# Altium PCB carrier_bak.PcbDoc (part 2 of 5) (continued)
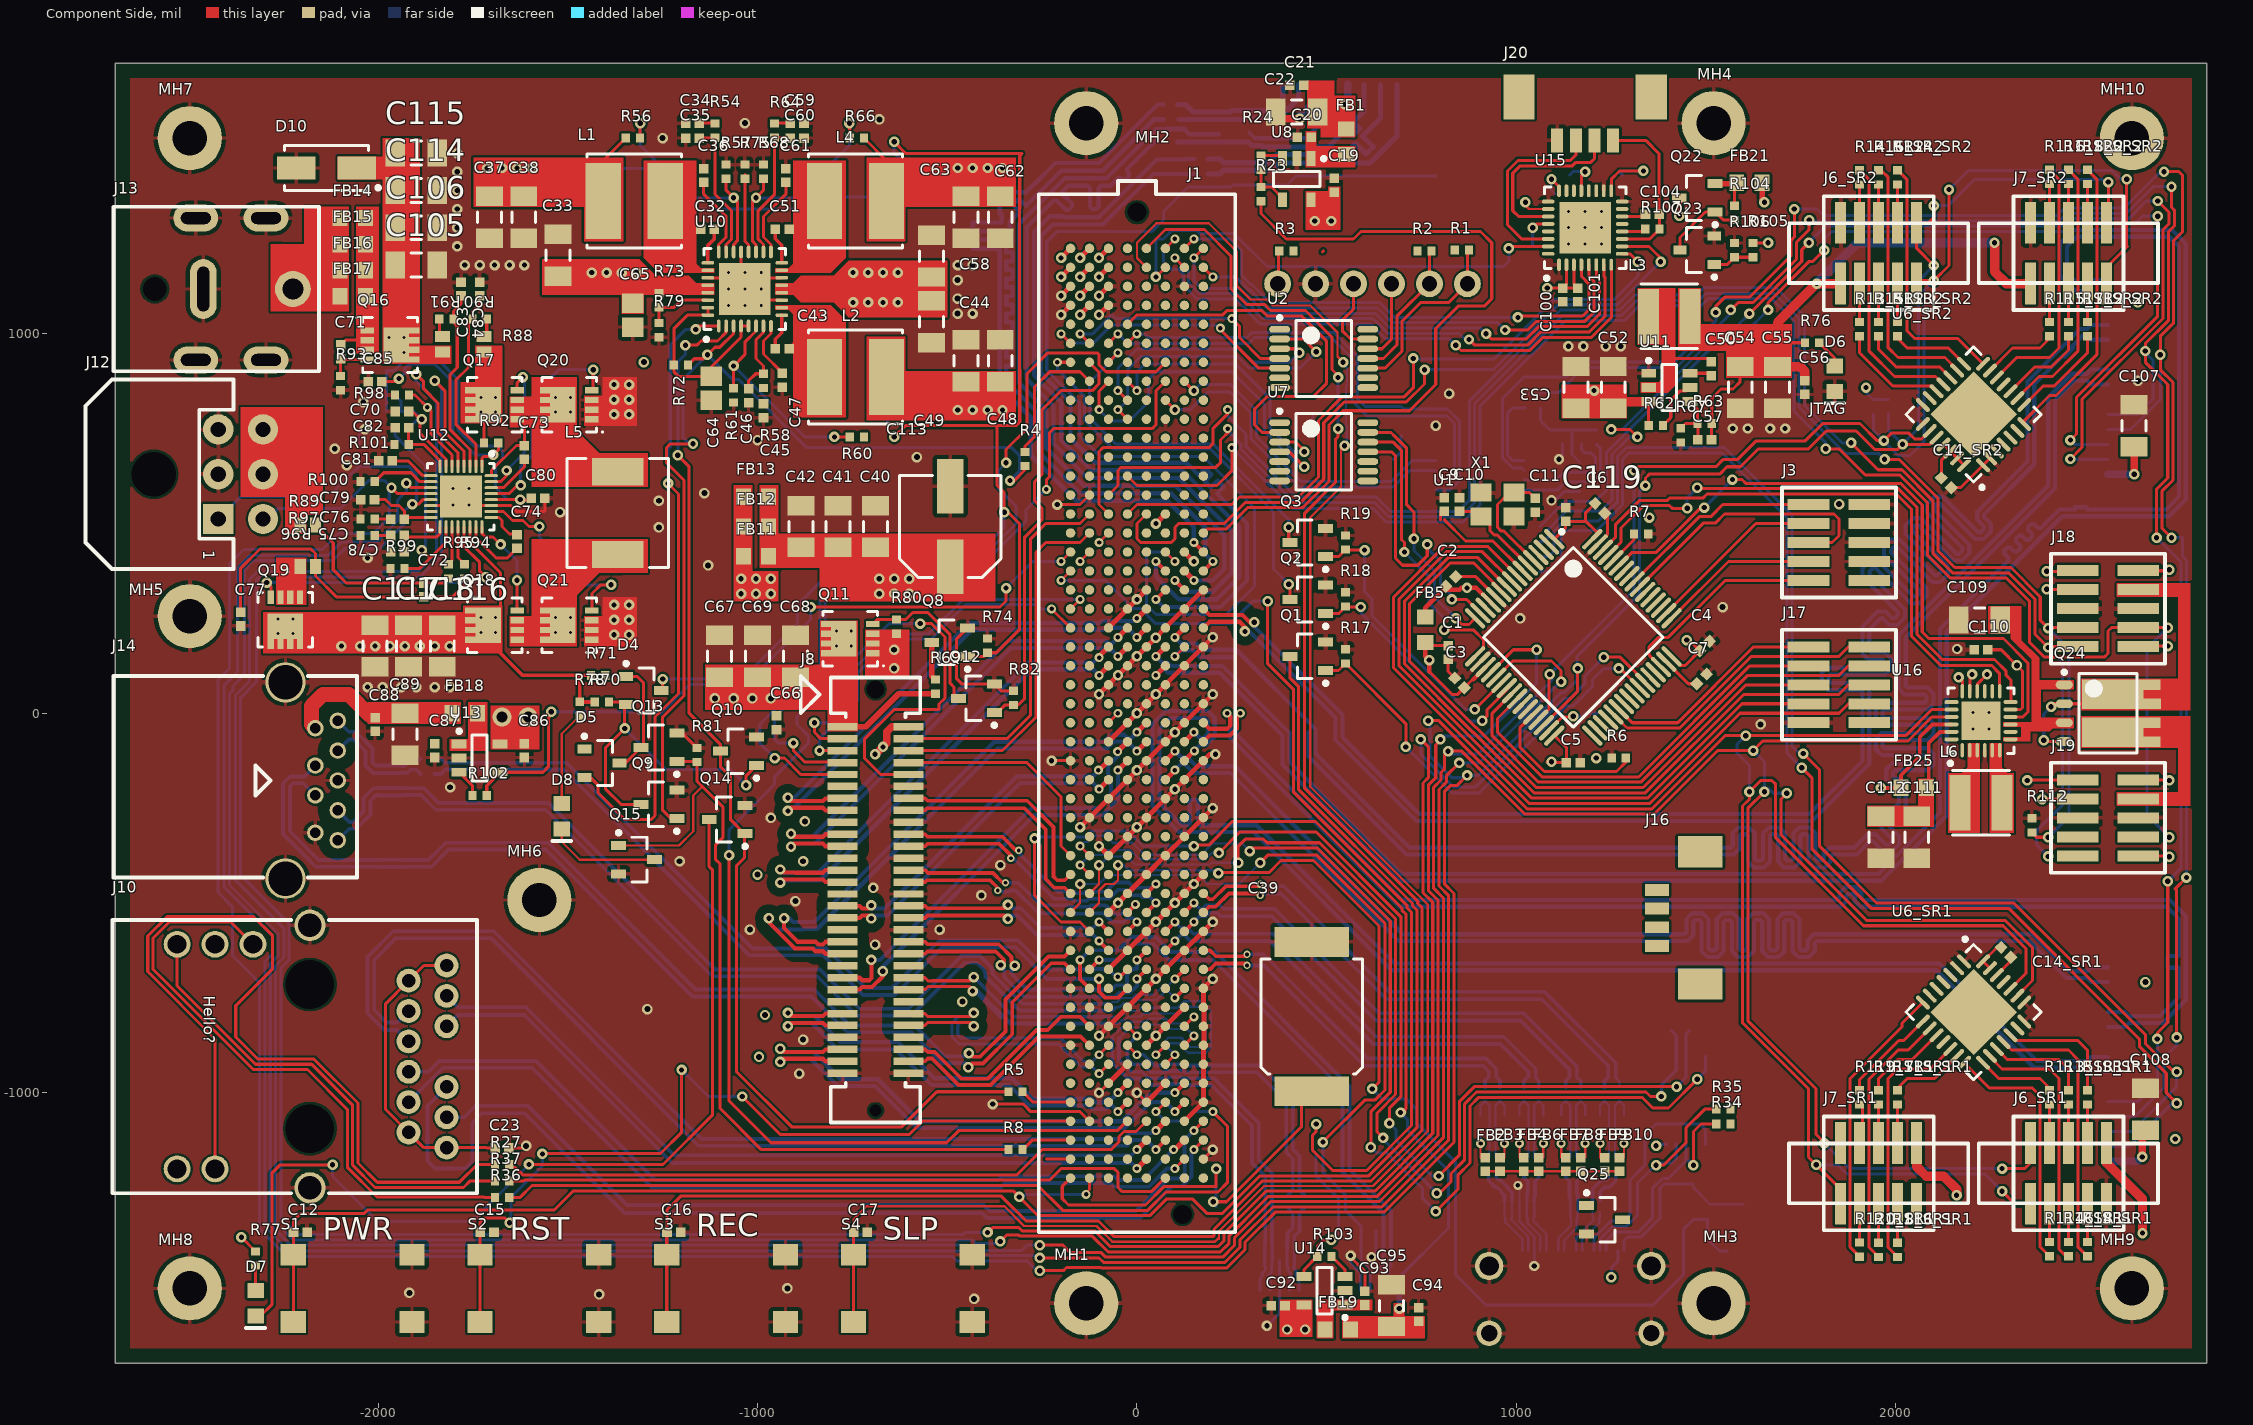
[diagram p0: Component Side view]
## Nets (pads, with @x,y where several pads share a name; then routed paths per layer and width w, separated by ;. In a path a pad name is that pad's centre, name@x,y a point inside that pad or via, vN(x,y) a via of type N, cw(c..) or ccw(c..) an arc to the next point about the centre after c; other vN are vias at no path point)
BAT_CON: J12.5 J12.6 R89.2
BAT_CONc: Q19.S R89.1
BQL: Q17.D R88.1 R92.2 | length 104.9
  Component Side w8: R92.2@-1720.47,712.6 -1720.47,802.17 Q17.D@-1709.65,812.99
  other v4: -1729.33,793.31 -1689.96,793.31 -1729.33,832.68 -1689.96,832.68
BQSL: C73.2 L5.1 Q17.S Q20.D U12.32 | length 205.3
  Component Side w8: U12.32@-1701.77,625.98 -1700.79,626.97 -1700.79,640.16 -1635.43,705.51 C73.2@-1614.17,705.51 -1614.17,755.51 Q17.S@-1633.27,774.61
  other v4: -1532.48,793.31 -1493.11,793.31 -1532.48,832.68 -1493.11,832.68
BQSR: C74.2 L5.2 Q18.S Q21.D U12.23 | length 169.3
  Component Side w8: U12.23@-1742.13,491.14 -1742.13,462.6 -1688.98,409.45 -1659.05,409.45 C74.2@-1633.86,434.65
  other v4: -1532.48,212.6 -1493.11,212.6 -1532.48,251.97 -1493.11,251.97
CHRG_OK: U1.43 U12.4 | length 8144.9
  Component Side w8: v1(-1850.39,875.98) -1824,849.59 -1824,741.21 -1773.62,690.83 U12.4@-1773.62,650.59 ; v1(-393.7,-1368.11) -383.86,-1368.11 -383.81,-1368.06 -383.81,-1358.81 -380.5,-1355.5 -311.27,-1355.5 -302.77,-1364 -111.93,-1364 -70.5,-1405.43 214.16,-1405.43 228.97,-1390.63 228.97,-1370.83 340.84,-1258.96 627.63,-1258.96 779.54,-1107.05 779.54,-498.35 754,-472.81 754,-183.6 767.72,-169.89 767.72,-88.58 v1(748.03,-68.9) ; v1(1230.31,147.64) 1273.79,147.64 1339.3,82.12 U1.43@1339.3,80.29
  Solder Side w8: v1(-1850.39,875.98) -1832.3,857.89 -1832.3,416.65 -1890.46,358.49 -2240.49,358.49 -2256.02,374.02 -2297.41,374.02 -2320.87,350.56 -2320.87,82.4 -2362.2,41.06 -2362.2,-426.68 -2234.25,-554.63 -2234.25,-649.61 -2256.09,-671.45 -2256.09,-1328.27 -2210.49,-1373.88 -456.83,-1373.88 -451.07,-1368.11 v1(-393.7,-1368.11) ; v1(748.03,-68.9) 748.03,-108.15 833.84,-193.97 892.65,-193.97 1125.98,39.37 1141.73,39.37 1181.1,78.74 1181.1,98.43 v1(1230.31,147.64)
CSI0_CLK_N: J1.G21 J5.8 | length 4883.5
  Component Side w13.4: v2(100,200) J1.G21@125,225
  Solder Side w11: v2(100,200) 116,184 155.09,184 171.77,167.32 261.68,167.32 470.76,-41.76 470.76,-106.58 718.5,-354.33 1565.26,-354.33 1569.99,-349.6 1569.99,-316.11 1585.26,-300.84 1612.72,-300.84 1627.99,-316.11 1627.99,-383.41 1632.72,-388.14 1645.26,-388.14 1649.99,-383.41 1649.99,-316.11 1665.26,-300.84 1692.72,-300.84 1707.99,-316.11 1707.99,-383.41 1712.72,-388.14 1725.26,-388.14 1729.99,-383.41 1729.99,-316.11 1745.26,-300.84 1772.72,-300.84 1787.99,-316.11 1787.99,-383.41 1792.72,-388.14 1805.26,-388.14 1809.99,-383.41 1809.99,-369.6 1825.26,-354.33 1889.76,-354.33 1925.11,-318.98 1946.71,-318.98 1974.68,-346.96 1981.37,-346.96 1990.24,-338.09 1990.24,-331.4 1962.27,-303.43 1962.27,-281.83 2007.87,-236.22 2007.87,-194.99 2003.15,-190.26 1989.88,-190.26 1974.61,-174.99 1974.61,-147.53 1989.88,-132.26 2076.32,-132.26 2081.05,-127.53 2081.05,-114.99 2076.32,-110.26 1962.36,-110.26 1947.09,-94.99 1947.09,-67.53 1962.36,-52.26 2076.32,-52.26 2081.05,-47.53 2081.05,-34.99 2076.32,-30.26 1962.36,-30.26 1947.09,-14.99 1947.09,12.47 1962.36,27.74 2076.32,27.74 2081.05,32.47 2081.05,45.01 2076.32,49.74 2023.15,49.74 2007.87,65.01 2007.87,206.69 2401.57,600.39 2401.57,832.54 2463.86,894.83 2503.5,894.83 2514.18,905.51 J5.8@2559.06,905.51
CSI0_CLK_P: J1.G22 J5.9 | length 4605.1
  Component Side w7: v2(100,150) J1.G22@125,175
  Solder Side w11: v2(100,150) 116,166 147.64,166 166,147.64 255.91,147.64 ; 452.76,-49.21 452.76,-114.04 711.05,-372.33 1572.72,-372.33 1587.99,-357.06 1587.99,-323.57 1592.72,-318.84 1605.26,-318.84 1609.99,-323.57 1609.99,-390.87 1625.26,-406.14 1652.72,-406.14 1667.99,-390.87 1667.99,-323.57 1672.72,-318.84 1685.26,-318.84 1689.99,-323.57 1689.99,-390.87 1705.26,-406.14 1732.72,-406.14 1747.99,-390.87 1747.99,-323.57 1752.72,-318.84 1765.26,-318.84 1769.99,-323.57 1769.99,-390.87 1785.26,-406.14 1812.72,-406.14 1827.99,-390.87 1827.99,-377.06 1832.72,-372.33 1897.22,-372.33 1932.57,-336.98 1939.25,-336.98 1967.23,-364.96 1988.83,-364.96 2008.24,-345.54 2008.24,-323.95 1980.27,-295.97 1980.27,-289.28 2025.87,-243.68 2025.87,-187.53 2010.6,-172.26 1997.34,-172.26 1992.61,-167.53 1992.61,-154.99 1997.34,-150.26 2083.78,-150.26 2099.05,-134.99 2099.05,-107.53 2083.78,-92.26 1969.82,-92.26 1965.09,-87.53 1965.09,-74.99 1969.82,-70.26 2083.78,-70.26 2099.05,-54.99 2099.05,-27.53 2083.78,-12.26 1969.82,-12.26 1965.09,-7.53 1965.09,5.01 1969.82,9.74 2083.78,9.74 2099.05,25.01 2099.05,52.47 2083.78,67.74 2030.6,67.74 2025.87,72.47 2025.87,199.24 2419.57,592.94 2419.57,825.09 2471.32,876.83 2503.5,876.83 2514.18,866.14 J5.9@2559.06,866.14
CSI0_D0_N: J1.F22 J5.2 | length 5009.8
  Component Side w13.4: v2(50,150) J1.F22@75,175
  Solder Side w11: v2(50,150) 66,134 80.25,134 89.53,124.72 225.54,124.72 401.86,-51.6 401.86,-127.95 697.13,-423.23 1954.72,-423.23 2116.14,-261.81 2116.14,222.31 2246.13,352.29 2296.57,402.73 2296.57,410.51 2285.73,421.35 2285.73,429.13 2293.51,436.91 2301.29,436.91 2312.13,426.07 2319.9,426.07 2327.68,433.85 2327.68,441.62 2316.85,452.46 2316.85,460.24 2324.62,468.02 2332.4,468.02 2343.24,457.18 2351.02,457.18 2358.79,464.96 2358.79,472.74 2347.96,483.57 2347.96,491.35 2355.74,499.13 2363.51,499.13 2374.35,488.29 2382.13,488.29 2393.8,499.96 2401.57,507.74 2431.1,537.27 2472.5,537.27 2472.5,542.77 2503.5,542.77 2503.5,537.27 2534.5,537.27 2550,537.27 2712.46,537.27 2746.06,570.87 2746.06,1230.32 2720.51,1255.87 2476.34,1255.87 2450.79,1230.32 2450.79,1160.57 2480.32,1131.05 2503.5,1131.05 2514.18,1141.73 J5.2@2559.06,1141.73
CSI0_D0_P: J1.F23 J5.3 | length 4998.8
  Component Side w13.4: v2(50,100) J1.F23@75,125
  Solder Side w11: v2(50,100) 66,116 72.79,116 82.07,106.72 218.08,106.72 383.86,-59.06 383.86,-135.41 689.68,-441.23 1962.18,-441.23 2134.14,-269.27 2134.14,214.85 2438.56,519.27 2719.92,519.27 2764.06,563.41 2764.06,1237.77 2727.96,1273.87 2468.89,1273.87 2432.79,1237.77 2432.79,1153.12 2472.86,1113.05 2503.5,1113.05 2514.18,1102.36 J5.3@2559.06,1102.36
CSI0_D1_N: J1.H20 J5.5 | length 4999.1
  Component Side w11: J1.H20@175,275 191,259 278.27,259 298.16,239.11 308,239.11 v1(308.94,240.04)
  Solder Side w11: v1(308.94,240.04) 308.94,228.33 541.34,-4.07 541.34,-63.13 743.96,-265.75 1771.65,-265.75 1912,-125.4 1912,56.97 1907.27,61.7 1819.77,61.7 1804.5,76.97 1804.5,104.43 1819.77,119.7 1964.31,119.7 1969.03,124.43 1969.03,136.97 1964.31,141.7 1927.27,141.7 1912,156.97 1912,228.93 1951.27,268.2 1972.87,268.2 1990.32,250.75 1997.01,250.75 2005.88,259.62 2005.88,266.31 1912.41,359.77 1912.41,381.37 1931.83,400.78 1953.43,400.78 2046.89,307.32 2053.58,307.32 2062.45,316.19 2062.45,322.88 1968.98,416.34 1968.98,437.94 1988.4,457.35 2010,457.35 2103.46,363.89 2110.14,363.89 2119.01,372.76 2119.01,379.45 2025.55,472.91 2025.55,494.51 2044.97,513.92 2066.56,513.92 2160.03,420.46 2166.71,420.46 2175.58,429.33 2175.58,436.02 2082.12,529.48 2082.12,551.08 2101.53,570.49 2123.13,570.49 2216.59,477.03 2223.28,477.03 2232.15,485.9 2232.15,492.58 2214.7,510.03 2214.7,531.63 2346.7,663.63 2346.7,874.82 2484.81,1012.94 2503.5,1012.94 2514.18,1023.62 J5.5@2559.06,1023.62
CSI0_D1_P: J1.H21 J5.6 | length 5021.3
  Component Side w11: J1.H21@175,225 191,241 270.81,241 285.43,226.38 285.43,216.54 v1(284.5,215.6)
  Power_layer1 w11: v1(284.5,215.6) 285.43,216.54 v1@295.28,216.54
  Solder Side w11: v1(284.5,215.6) 296.21,215.6 523.34,-11.53 523.34,-70.58 736.5,-283.75 1779.11,-283.75 1930,-132.86 1930,64.43 1914.73,79.7 1827.23,79.7 1822.5,84.43 1822.5,96.97 1827.23,101.7 1971.76,101.7 1987.03,116.97 1987.03,144.43 1971.76,159.7 1934.73,159.7 1930,164.43 1930,221.47 1958.73,250.2 1965.42,250.2 1982.87,232.75 2004.46,232.75 2023.88,252.17 2023.88,273.77 1930.41,367.23 1930.41,373.91 1939.29,382.78 1945.97,382.78 2039.43,289.32 2061.03,289.32 2080.45,308.74 2080.45,330.33 1986.98,423.8 1986.98,430.48 1995.85,439.35 2002.54,439.35 2096,345.89 2117.6,345.89 2137.01,365.31 2137.01,386.9 2043.55,480.37 2043.55,487.05 2052.42,495.92 2059.11,495.92 2152.57,402.46 2174.17,402.46 2193.58,421.87 2193.58,443.47 2100.12,536.93 2100.12,543.62 2108.99,552.49 2115.68,552.49 2209.14,459.03 2230.74,459.03 2250.15,478.44 2250.15,500.04 2232.7,517.49 2232.7,524.18 2364.7,656.17 2364.7,867.37 2415,917.67 2440.49,943.16 2444.38,939.27 2466.3,961.19 2462.41,965.08 2473.37,976.04 2492.27,994.94 2503.5,994.94 2514.18,984.25 J5.6@2559.06,984.25
CSI1_CLK_N: J1.G27 J4.8 | length 3364.2
  Component Side w13.4: J1.G27@125,-75 v2(150,-50)
  Solder Side w11: v2(150,-50) 165.45,-65.45 175,-65.45 187.01,-53.44 187.01,-19.68 179.53,-12.2 87.8,-12.2 59.06,-40.94 59.06,-236.22 118.11,-295.28 127.95,-295.28 133.45,-295.28 138.95,-289.78 138.95,-233.13 144.45,-227.63 155.45,-227.63 160.95,-233.13 160.95,-289.78 166.45,-295.28 314.68,-295.28 678.85,-659.45 1736.24,-659.45 1811.02,-659.45 2115.3,-659.45 2372.05,-916.2 2503.5,-916.2 2514.18,-905.51 J4.8@2559.06,-905.51
CSI1_CLK_P: J1.G28 J4.9 | length 3364.2
  Component Side w13.4: J1.G28@125,-125 v2(151.1,-98.9)
  Solder Side w11: v2(151.1,-98.9) 166.55,-83.45 182.46,-83.45 205.01,-60.9 205.01,-12.23 186.98,5.8 75.8,5.8 41.06,-28.94 41.06,-243.68 110.65,-313.28 166.45,-313.28 307.22,-313.28 671.39,-677.45 2107.84,-677.45 2364.59,-934.2 2503.5,-934.2 2514.18,-944.88 J4.9@2559.06,-944.88
CSI1_D0_N: J1.F28 J4.2 | length 3412.2
  Component Side w13.4: J1.F28@75,-125 v2(100,-100)
  Solder Side w11: v2(100,-100) 116,-116 132.46,-116 155.94,-139.48 257.59,-139.48 700.5,-582.39 1443.28,-582.39 1448.01,-577.67 1448.01,-542.4 1463.28,-527.12 1490.74,-527.12 1506.01,-542.4 1506.01,-619.72 1510.74,-624.45 1523.28,-624.45 1528.01,-619.72 1528.01,-542.4 1543.28,-527.12 1570.74,-527.12 1586.01,-542.4 1586.01,-619.72 1590.74,-624.45 1603.28,-624.45 1608.01,-619.72 1608.01,-542.4 1623.28,-527.12 1650.74,-527.12 1666.01,-542.4 1666.01,-619.72 1670.74,-624.45 1683.28,-624.45 1688.01,-619.72 1688.01,-542.4 1703.28,-527.12 1730.74,-527.12 1746.01,-542.4 1746.01,-619.72 1750.74,-624.45 1763.28,-624.45 1768.01,-619.72 1768.01,-597.67 1783.28,-582.39 2359.82,-582.39 2457.4,-679.98 2503.5,-679.98 2514.18,-669.29 J4.2@2559.06,-669.29
CSI1_D0_P: J1.F29 J4.3 | length 3412.2
  Component Side w13.4: J1.F29@75,-175 v2(100,-150)
  Solder Side w11: v2(100,-150) 116,-134 125,-134 148.48,-157.48 246.06,-157.48 688.98,-600.39 1450.74,-600.39 1466.01,-585.12 1466.01,-549.85 1470.74,-545.12 1483.28,-545.12 1488.01,-549.85 1488.01,-627.18 1503.28,-642.45 1530.74,-642.45 1546.01,-627.18 1546.01,-549.85 1550.74,-545.12 1563.28,-545.12 1568.01,-549.85 1568.01,-627.18 1583.28,-642.45 1610.74,-642.45 1626.01,-627.18 1626.01,-549.85 1630.74,-545.12 1643.28,-545.12 1648.01,-549.85 1648.01,-627.18 1663.28,-642.45 1690.74,-642.45 1706.01,-627.18 1706.01,-549.85 1710.74,-545.12 1723.28,-545.12 1728.01,-549.85 1728.01,-627.18 1743.28,-642.45 1770.74,-642.45 1786.01,-627.18 1786.01,-605.12 1790.74,-600.39 2352.36,-600.39 2449.95,-697.98 2503.5,-697.98 2514.18,-708.66 J4.3@2559.06,-708.66
CSI1_D1_N: J1.H26 J4.5 | length 3405.5
  Component Side w11: J1.H26@175,-25 191,-41 237.37,-41 246.06,-32.31 246.06,-8.28 v2(237.78,0)
  Solder Side w11: v2(237.78,0) 246.06,-8.28 246.06,-64.83 691.36,-510.13 1854.28,-510.13 1869.55,-494.85 1869.55,-480.95 1874.28,-476.23 1886.82,-476.23 1891.55,-480.95 1891.55,-494.85 1906.82,-510.13 2714.85,-510.13 2746.06,-541.34 2746.06,-575 2746.06,-639.53 2716.24,-639.53 2716.24,-670.53 2746.06,-670.53 2746.06,-701.53 2746.06,-732.53 2746.06,-748.03 2696.01,-798.09 2614.61,-798.09 2603.93,-787.4 J4.5@2559.06,-787.4
CSI1_D1_P: J1.H27 J4.6 | length 3405.5
  Component Side w11: J1.H27@175,-75 191,-59 244.83,-59 264.06,-39.76 264.06,-8.28 v2(272.34,0)
  Solder Side w11: v2(272.34,0) 264.06,-8.28 264.06,-57.37 698.82,-492.13 1846.82,-492.13 1851.55,-487.4 1851.55,-473.5 1866.82,-458.23 1894.28,-458.23 1909.55,-473.5 1909.55,-487.4 1914.28,-492.13 2722.31,-492.13 2764.06,-533.88 2764.06,-755.49 2703.46,-816.09 2614.61,-816.09 2603.93,-826.77 J4.6@2559.06,-826.77
CSI2_CLK_N: J1.D21 J8.19 | length 1265.6
  Component Side w11: v1(-911.72,-317.37) -903.44,-325.65 -827.21,-325.65 -820.46,-318.9 J8.19@-775.59,-318.9
  Component Side w13.4: v2(-50,200) J1.D21@-25,225
  Solder Side w11: v1(-911.72,-317.37) -903.44,-325.65 -855.65,-325.65 -340,190 -81,190 -75,184 -66,184 v2(-50,200)
CSI2_CLK_P: J1.D22 J8.21 | length 1265.6
  Component Side w11: v1(-911.72,-351.93) -903.44,-343.65 -827.21,-343.65 -820.46,-350.39 J8.21@-775.59,-350.39
  Component Side w13.4: v2(-50,150) J1.D22@-25,175
  Solder Side w11: v1(-911.72,-351.93) -903.44,-343.65 -848.19,-343.65 -332.54,172 -88.46,172 -82.46,166 -66,166 v2(-50,150)
CSI2_D0_N: J1.C22 J8.25 | length 1287.6
  Component Side w11: v1(-940,-411.72) -931.72,-420 -900.13,-420 -900,-420.13 -827.21,-420.13 -820.46,-413.39 J8.25@-775.59,-413.39
  Component Side w13.4: v2(-100,146.72) -100,150 J1.C22@-75,175
  Solder Side w11: v1(-940,-411.72) -931.72,-420 -929.11,-420 -928.98,-420.13 -840.13,-420.13 -286,134 -116,134 -103.28,146.72 v2(-100,146.72)
CSI2_D0_P: J1.C23 J8.27 | length 1285.6
  Component Side w11: v1(-940,-446.28) -931.72,-438 -907.59,-438 -907.46,-438.13 -827.21,-438.13 -820.46,-444.88 J8.27@-775.59,-444.88
  Component Side w13.4: v2(-100,100) J1.C23@-75,125
  Solder Side w11: v1(-940,-446.28) -933.72,-440 -834.54,-440 -278.54,116 -116,116 v2(-100,100)
CSI2_D1_N: J1.E20 J8.13 | length 1308.7
  Component Side w11: v1(-920,-222.88) -911.72,-231.16 -827.21,-231.16 -820.46,-224.41 J8.13@-775.59,-224.41
  Component Side w13.4: v2(0,250) J1.E20@25,275
  Solder Side w11: v1(-920,-222.88) -911.72,-231.16 -442.56,238.01 -97.45,238.01 -92.18,243.28 -6.72,243.28 v2(0,250)
CSI2_D1_P: J1.E21 J8.15 | length 1316.4
  Component Side w11: v1(-920,-257.44) -911.72,-249.16 -827.21,-249.16 -820.46,-255.91 J8.15@-775.59,-255.91
  Component Side w13.4: v2(0,200) J1.E21@25,225
  Solder Side w11: v1(-920,-257.44) -911.72,-249.16 -904.26,-249.16 -435.11,220 -90,220 -84.72,225.28 -25.28,225.28 v2(0,200)
CSI3_CLK_N: J1.D27 J8.43 | length 1109.3
  Component Side w11: J8.43@-775.59,-696.85 -730.72,-696.85 -723.97,-703.6 -705.74,-703.6 -700,-697.86 v1(-700,-650)
  Component Side w13.4: v2(-51.1,-101.1) J1.D27@-25,-75
  Solder Side w11: v1(-700,-650) -677.46,-650 -277.46,-250 -98,-250 -68,-220 -68,-169.16 -76.28,-160.89 -76.28,-139.11 -50,-112.84 -51.1,-111.73 v2(-51.1,-101.1)
CSI3_CLK_P: J1.D28 J8.45 | length 1060.7
  Component Side w11: J8.45@-775.59,-728.35 -730.72,-728.35 -723.97,-721.6 -698.28,-721.6 -670,-693.32 v1(-670,-680)
  Component Side w13.4: v2(-50,-150) J1.D28@-25,-125
  Solder Side w11: v1(-670,-680) -670,-668 -270,-268 -90.54,-268 -50,-227.46 v2(-50,-150)
CSI3_D0_N: J1.C28 J8.31 | length 872.5
  Component Side w11: J8.31@-775.59,-507.87 -730.72,-507.87 -723.97,-514.62 -708.28,-514.62 v1(-700,-506.34)
  Component Side w13.4: v2(-101.56,-150) -100,-150 J1.C28@-75,-125
  Solder Side w11: v1(-700,-506.34) -691.72,-514.62 -664.62,-514.62 -316,-166 -116,-166 -101.56,-151.56 v2(-101.56,-150)
CSI3_D0_P: J1.C29 J8.33 | length 871.6
  Component Side w11: J8.33@-775.59,-539.37 -730.72,-539.37 -723.97,-532.62 -708.28,-532.62 v1(-700,-540.9)
  Component Side w13.4: v2(-100,-200) J1.C29@-75,-175
  Solder Side w11: v1(-700,-540.9) -691.72,-532.62 -657.17,-532.62 -308.54,-184 -116,-184 v2(-100,-200)
CSI3_D1_N: J1.E26 J8.37 | length 1385.7
  Component Side w11: v1(-930,-540) -930,-566.26 -894.26,-602 -847.11,-602 -840,-609.11 -827.21,-609.11 -820.46,-602.36 J8.37@-775.59,-602.36
  Component Side w13.4: v2(0,-50) J1.E26@25,-25
  Solder Side w11: v1(-930,-540) -916.28,-540 -906.28,-550 -850,-550 -375,-75 -235.75,-75 -235.47,-75.28 -214.53,-75.28 -214.25,-75 -86.21,-75 -67.93,-56.72 -34.28,-56.72 -25,-66 -16,-66 v2(0,-50)
CSI3_D1_P: J1.E27 J8.39 | length 1480.7
  Component Side w11: v1(-970,-540) -970,-551.72 -901.72,-620 -854.57,-620 -847.46,-627.11 -827.21,-627.11 -820.46,-633.86 J8.39@-775.59,-633.86
  Component Side w13.4: v2(0,-100) J1.E27@25,-75
  Solder Side w11: v1(-970,-540) -970,-551.72 -951.72,-570 -880,-570 -878,-568 -842.54,-568 -367.54,-93 -243.21,-93 -242.93,-93.28 -207.07,-93.28 -206.79,-93 -78.75,-93 -60.47,-74.72 -41.74,-74.72 -32.46,-84 -16,-84 v2(0,-100)
DC_IN: FB14.1 FB15.1 FB16.1 FB17.1 J13.1
DC_INfb: C71.2 FB14.2 FB15.2 FB16.2 FB17.2 Q16.S | length 75.4
  Component Side w8: C71.2@-2098.43,970.87 -2086.02,983.27 Q16.S@-2028.15,983.27
DC_INrp: C105.2 C106.2 C114.2 C115.2 D10.C Q16.D R88.2
  other v4: -1971.46,950.79 -1932.09,950.79 -1971.46,990.16 -1932.09,990.16
DISCHARGE: D4.C Q5.G Q6.G Q7.G Q8.G R74.2 | length 4367.7
  Component Side w8: D4.C@-1250,60 v1(-1250,90) ; v1(-639.76,728.35) -610.24,757.87 -368.62,757.87 ; v1(-639.76,1505.91) -608.43,1474.57 -303.31,1474.57 -308.9,1468.98 -308.9,1330.5 -310,1329.4 -310,906.82 -308.9,905.72 -308.9,767.51 -318.54,757.87 -368.62,757.87 ; Q8.G@-446.31,149.61 -403.54,149.61 R74.2@-393.7,159.45 -370.55,159.45 -310,220 -310,500 -340,530 v1(-350,530) -350,581.73 -368.78,600.51 -368.78,757.72 -368.62,757.87
  Solder Side w8: Q5.G@-1409.45,1435.04 -1277.56,1435.04 -1171.26,1328.74 -895.67,1328.74 -864.17,1360.24 Q7.G@-657.48,1360.24 -647.64,1360.24 -620.08,1387.8 -620.08,1456.69 -639.76,1476.38 v1(-639.76,1505.91) ; v1(-1250,90) -1040,90 -895,235 -895,285 -735,445 -395,445 -350,490 v1(-350,530) ; Q6.G@-657.48,799.21 -657.48,746.06 v1(-639.76,728.35)
DP0_D0_C_N: C30.1 R44.1 R47.2 | length 212.8
  Solder Side w6: 956.69,-1182.09 944.76,-1170.15 944.76,-1033.98 C30.1@956.69,-1022.05 968.5,-1033.86 R47.2@968.5,-1060.04
DP0_D0_C_P: C31.1 R45.1 R46.2 | length 212.8
  Solder Side w6: R46.2@905.51,-1060.04 905.51,-1033.86 C31.1@917.32,-1022.05 929.26,-1033.98 929.26,-1170.15 917.32,-1182.09
DP0_D0_J_N: D3.4 J11.3 R44.2 | length 251.7
  Solder Side w6: D3.4@988.19,-1284.06 D3.4@988.19,-1314.37 988.19,-1328.2 986.1,-1330.29 986.1,-1334.65 1031.37,-1379.92 1031.37,-1392.55 1031.5,-1392.67 J11.3@1031.5,-1415.35
  Solder Side w9.7: R44.2@956.69,-1207.68 946.61,-1217.76 946.61,-1224.41 952.51,-1230.31 957.59,-1230.31 979.31,-1252.03 979.31,-1254.3 987.7,-1262.69 987.7,-1267.89 988.19,-1268.38 D3.4@988.19,-1284.06
DP0_D0_J_P: D3.5 J11.2 R45.2 | length 251.5
  Solder Side w6: D3.5@968.5,-1284.06 D3.5@968.5,-1314.37 968.5,-1328.2 970.6,-1330.29 970.6,-1341.07 1015.87,-1386.34 1015.87,-1392.55 1015.75,-1392.67 J11.2@1015.75,-1415.35
  Solder Side w9.7: R45.2@917.32,-1207.68 927.41,-1217.76 927.41,-1232.36 944.56,-1249.51 949.64,-1249.51 960.11,-1259.98 960.11,-1262.25 968.5,-1270.65 D3.5@968.5,-1284.06
DP0_D0_N: C30.2 J1.H38 | length 958
  Component Side w9.7: J1.H38@175,-625 192.35,-625 207.75,-640.4 285.01,-640.4 v7(290,-635.41)
  Solder Side w9.7: v7(290,-635.41) 332.96,-635.41 607.49,-909.93 919.61,-909.93 946.61,-936.93 946.61,-958.29 956.69,-968.38 C30.2@956.69,-985.83
DP0_D0_P: C31.2 J1.H39 | length 922.1
  Component Side w9.7: J1.H39@175,-675 192.35,-675 207.75,-659.6 285.01,-659.6 v7(290,-664.59)
  Solder Side w9.7: v7(290,-664.59) 334.99,-664.59 599.53,-929.13 911.66,-929.13 927.41,-944.88 927.41,-958.29 917.32,-968.38 C31.2@917.32,-985.83
DP0_D1_C_N: C28.1 R42.1 R49.2 | length 212.8
  Solder Side w6: 1059.06,-1182.09 1047.12,-1170.15 1047.12,-1033.98 C28.1@1059.06,-1022.05 1070.87,-1033.86 R49.2@1070.87,-1060.04
DP0_D1_C_P: C29.1 R43.1 R48.2 | length 212.8
  Solder Side w6: R48.2@1007.87,-1060.04 1007.87,-1033.86 C29.1@1019.68,-1022.05 1031.62,-1033.98 1031.62,-1170.15 1019.68,-1182.09
DP0_D1_J_N: D3.1 J11.6 R42.2 | length 227.3
  Solder Side w6: D3.1@1047.24,-1284.06 D3.1@1047.24,-1314.37 1047.24,-1328.2 1045.15,-1330.29 1045.15,-1337.84 1078.74,-1371.43 J11.6@1078.74,-1415.35
  Solder Side w9.7: D3.1@1047.24,-1284.06 1047.24,-1275.85 1048.97,-1274.12 1048.97,-1233.44 1059.05,-1223.35 R42.2@1059.05,-1207.68
DP0_D1_J_P: D3.2 J11.5 R43.2 | length 227.5
  Solder Side w6: D3.2@1027.56,-1284.06 D3.2@1027.56,-1314.37 1027.56,-1328.2 1029.65,-1330.29 1029.65,-1344.26 1063.12,-1377.72 1063.12,-1392.55 1062.99,-1392.67 J11.5@1062.99,-1415.35
  Solder Side w9.7: R43.2@1019.68,-1207.68 1019.68,-1223.35 1029.77,-1233.44 1029.77,-1266.17 1027.56,-1268.38 D3.2@1027.56,-1284.06
DP0_D1_N: C28.2 J1.F37 | length 1198.8
  Component Side w9.7: J1.F37@75,-575 v2(100,-550)
  Solder Side w9.7: v2(100,-550) 115.4,-565.4 132.95,-565.4 148.35,-580.8 358.35,-580.8 630,-852.45 966.34,-852.45 1050.82,-936.93 1050.82,-960.14 1059.06,-968.38 C28.2@1059.06,-985.83
DP0_D1_P: C29.2 J1.F38 | length 1168.5
  Component Side w9.7: J1.F38@75,-625 v2(100,-600)
  Solder Side w9.7: v2(100,-600) 115.4,-584.6 125,-584.6 140.4,-600 350.4,-600 622.05,-871.65 958.39,-871.65 1031.62,-944.88 1031.62,-956.44 1019.68,-968.38 C29.2@1019.68,-985.83
DP0_D2_C_N: C26.1 R40.1 R51.2 | length 212.8
  Solder Side w6: 1169.29,-1182.09 1157.36,-1170.15 1157.36,-1033.98 C26.1@1169.29,-1022.05 1181.1,-1033.86 R51.2@1181.1,-1060.04
DP0_D2_C_P: C27.1 R41.1 R50.2 | length 212.8
  Solder Side w6: R50.2@1118.11,-1060.04 1118.11,-1033.86 C27.1@1129.92,-1022.05 1141.86,-1033.98 1141.86,-1170.15 1129.92,-1182.09
DP0_D2_J_N: D2.2 J11.9 R40.2 | length 227.5
  Solder Side w6: J11.9@1125.98,-1415.35 1125.98,-1392.67 1125.86,-1392.55 1125.86,-1389.76 1159.32,-1356.3 1159.32,-1330.29 1161.42,-1328.2 D2.2@1161.42,-1314.37 D2.2@1161.42,-1284.06
  Solder Side w9.7: D2.2@1161.42,-1284.06 1161.42,-1268.38 1159.21,-1266.17 1159.21,-1233.44 1169.29,-1223.35 R40.2@1169.29,-1207.68
DP0_D2_J_P: D2.1 J11.8 R41.2 | length 227.3
  Solder Side w6: J11.8@1110.24,-1415.35 1110.24,-1392.67 1110.36,-1392.55 1110.36,-1383.34 1143.82,-1349.88 1143.82,-1330.29 1141.73,-1328.2 D2.1@1141.73,-1314.37 D2.1@1141.73,-1284.06
  Solder Side w9.7: R41.2@1129.92,-1207.68 1129.92,-1223.35 1140.01,-1233.44 1140.01,-1274.12 1141.73,-1275.85 D2.1@1141.73,-1284.06
DP0_D2_N: C26.2 J1.G36 | length 1289.7
  Component Side w9.7: J1.G36@125,-525 v2(150,-500)
  Solder Side w9.7: v2(150,-500) 165.4,-515.4 172.62,-515.4 181.85,-506.17 218.15,-506.17 227.38,-515.4 362.55,-515.4 637.8,-790.64 1018.71,-790.64 1159.21,-931.14 1159.21,-958.29 1169.29,-968.38 C26.2@1169.29,-985.83
DP0_D2_P: C27.2 J1.G37 | length 1257.8
  Component Side w9.7: J1.G37@125,-575 v2(150,-550)
  Solder Side w9.7: v2(150,-550) 165.4,-534.6 180.57,-534.6 189.8,-525.37 210.2,-525.37 219.43,-534.6 354.6,-534.6 629.84,-809.84 1010.75,-809.84 1140.01,-939.09 1140.01,-958.29 1129.92,-968.38 C27.2@1129.92,-985.83
DP0_D3_C_N: C24.1 R38.1 R53.2 | length 212.8
  Solder Side w6: 1271.65,-1182.09 1259.72,-1170.15 1259.72,-1033.98 C24.1@1271.65,-1022.05 1283.46,-1033.86 R53.2@1283.46,-1060.04
DP0_D3_C_P: C25.1 R39.1 R52.2 | length 212.8
  Solder Side w6: R52.2@1220.47,-1060.04 1220.47,-1033.86 C25.1@1232.28,-1022.05 1244.22,-1033.98 1244.22,-1170.15 1232.28,-1182.09
DP0_D3_J_N: D2.5 J11.12 R38.2 | length 225.3
  Solder Side w6: J11.12@1173.23,-1415.35 1173.23,-1392.67 1173.1,-1392.55 1173.1,-1387.8 1218.38,-1342.52 1218.38,-1330.29 1220.47,-1328.2 D2.5@1220.47,-1314.37
  Solder Side w9.7: D2.5@1220.47,-1284.06 1220.47,-1268.38 1220.47,-1261.33 1232.28,-1249.51 1244.42,-1249.51 1261.57,-1232.36 1261.57,-1217.76 R38.2@1271.65,-1207.68
DP0_D3_J_P: D2.4 J11.11 R39.2 | length 225.5
  Solder Side w6: J11.11@1157.48,-1415.35 1157.48,-1392.67 1157.6,-1392.55 1157.6,-1381.37 1202.88,-1336.1 1202.88,-1330.29 1200.79,-1328.2 D2.4@1200.79,-1314.37
  Solder Side w9.7: D2.4@1200.79,-1284.06 1200.79,-1268.38 1201.27,-1267.89 1201.27,-1253.37 1224.33,-1230.31 1236.46,-1230.31 1242.37,-1224.41 1242.37,-1217.76 R39.2@1232.28,-1207.68
DP0_D3_N: C24.2 J1.H35 | length 1385.7
  Component Side w9.7: J1.H35@175,-475 190.4,-490.4 200,-490.4 234.6,-455.8 320.01,-455.8 v7(325,-450.81)
  Solder Side w6: 1259.72,-946.34 1259.72,-958.29 1271.65,-970.23 C24.2@1271.65,-985.83
  Solder Side w9.7: v7(325,-450.81) 329.99,-455.8 386.91,-455.8 665.43,-734.32 1074.71,-734.32 1261.57,-921.18 1261.57,-958.29
DP0_D3_P: C25.2 J1.H36 | length 1341.2
  Component Side w9.7: J1.H36@175,-525 190.4,-509.6 207.95,-509.6 242.55,-475 320.01,-475 v7(325,-479.99)
  Solder Side w9.7: v7(325,-479.99) 329.99,-475 378.96,-475 657.48,-753.52 1066.76,-753.52 1242.37,-929.13 1242.37,-958.29 1232.28,-968.38 C25.2@1232.28,-985.83
DPM2_AUX_N: J1.A34 J8.14 | length 599.6
  Component Side w9.7: J8.14@-602.36,-224.41 -558.14,-224.41 -551.75,-230.8 -289.2,-230.8 -220,-300 -220,-430.4 -210,-440.4 -190.4,-440.4 J1.A34@-175,-425
DPM2_AUX_P: J1.A35 J8.16 | length 599.4
  Component Side w9.7: J8.16@-602.36,-255.91 -558.14,-255.91 -552.24,-250 -297.15,-250 -240,-307.15 -240,-437.55 -217.95,-459.6 -190.4,-459.6 J1.A35@-175,-475
DPM2_D0_N: J1.E35 J8.20 | length 778.1
  Component Side w9.7: J8.20@-602.36,-318.9 -558.14,-318.9 -551.99,-325.05 -354.95,-325.05 -350,-330 -318.53,-361.47 v7(-311.47,-361.47) ; J1.E35@25,-475 v2(50,-450)
  Solder Side w9.7: v7(-311.47,-361.47) -311.47,-368.53 -210,-470 -164.83,-470 -160.2,-474.63 -139.8,-474.63 -135.17,-470 -81.98,-470 -58.15,-446.17 -21.85,-446.17 -7.91,-460.11 39.89,-460.11 v2(50,-450)
DPM2_D0_P: J1.E36 J8.22 | length 782.5
  Component Side w9.7: J8.22@-602.36,-350.39 -558.14,-350.39 -551.99,-344.25 -362.91,-344.25 -332.11,-375.05 v7(-332.11,-382.11) ; J1.E36@25,-525 v2(50,-500)
  Solder Side w9.7: v7(-332.11,-382.11) -325.05,-382.11 -243.4,-463.75 -217.95,-489.2 -172.78,-489.2 -168.15,-493.83 -131.85,-493.83 -127.22,-489.2 -74.03,-489.2 -50.2,-465.37 -29.8,-465.37 -15.86,-479.31 8.57,-479.31 13.86,-484.6 34.6,-484.6 v2(50,-500)
DPM2_D1_N: J1.D36 J8.26 | length 690.1
  Component Side w9.7: J8.26@-602.36,-413.39 -558.14,-413.39 -550.73,-420.8 -379.2,-420.8 -353.53,-446.47 v7(-346.47,-446.47) ; J1.D36@-25,-525 v2(-3.94,-503.94)
  Solder Side w9.7: v7(-346.47,-446.47) -313.53,-446.47 -253.83,-506.17 -178.02,-506.17 -174.66,-509.53 -125.34,-509.53 -121.98,-506.17 -83.83,-506.17 -82.02,-507.98 -80.04,-507.98 -58.02,-530 -42.34,-530 -32.34,-520 -20,-520 v2(-3.94,-503.94)
DPM2_D1_P: J1.D37 J8.28 | length 701.3
  Component Side w9.7: J8.28@-602.36,-444.88 -558.14,-444.88 -553.26,-440 -387.15,-440 -367.11,-460.05 v7(-367.11,-467.11) ; J1.D37@-25,-575 v2(0,-550)
  Solder Side w9.7: v7(-367.11,-467.11) -360.05,-467.11 -356.49,-470.66 -336.45,-470.66 -332.89,-467.11 -320.05,-467.11 -261.78,-525.37 -254.63,-525.37 -252.82,-527.18 -184.16,-527.18 -182.61,-528.73 -117.39,-528.73 -115.84,-527.18 -87.99,-527.18 -65.97,-549.2 -34.39,-549.2 -25.19,-540 -10,-540 v2(0,-550)
DPM2_D2_N: J1.C37 J8.32 | length 575.3
  Component Side w9.7: J8.32@-602.36,-507.87 -558.14,-507.87 -551.99,-514.02 -348.93,-514.02 v1(-340,-505.09) ; v2(-100,-550) J1.C37@-75,-575
  Solder Side w9.7: v1(-340,-505.09) -331.07,-514.02 -305.98,-514.02 -254.6,-565.4 -115.4,-565.4 v2(-100,-550)